# Altium PCB 190909 PCB (INITIAL).PcbDoc (part 2 of 2)
Units mil, origin at the board's own origin, x right, y up, seen from the top; angles counter-clockwise.
Board outline 5629.92 x 3740.16 mil, 4 copper layers (Top Layer, Int1 (GND), Int2 (PWR), Bottom Layer), stack 53.912 mil thick; 160 components, 136 nets, 615 pads, 194 vias.
Unrouted connection lines stored in the file: 73.
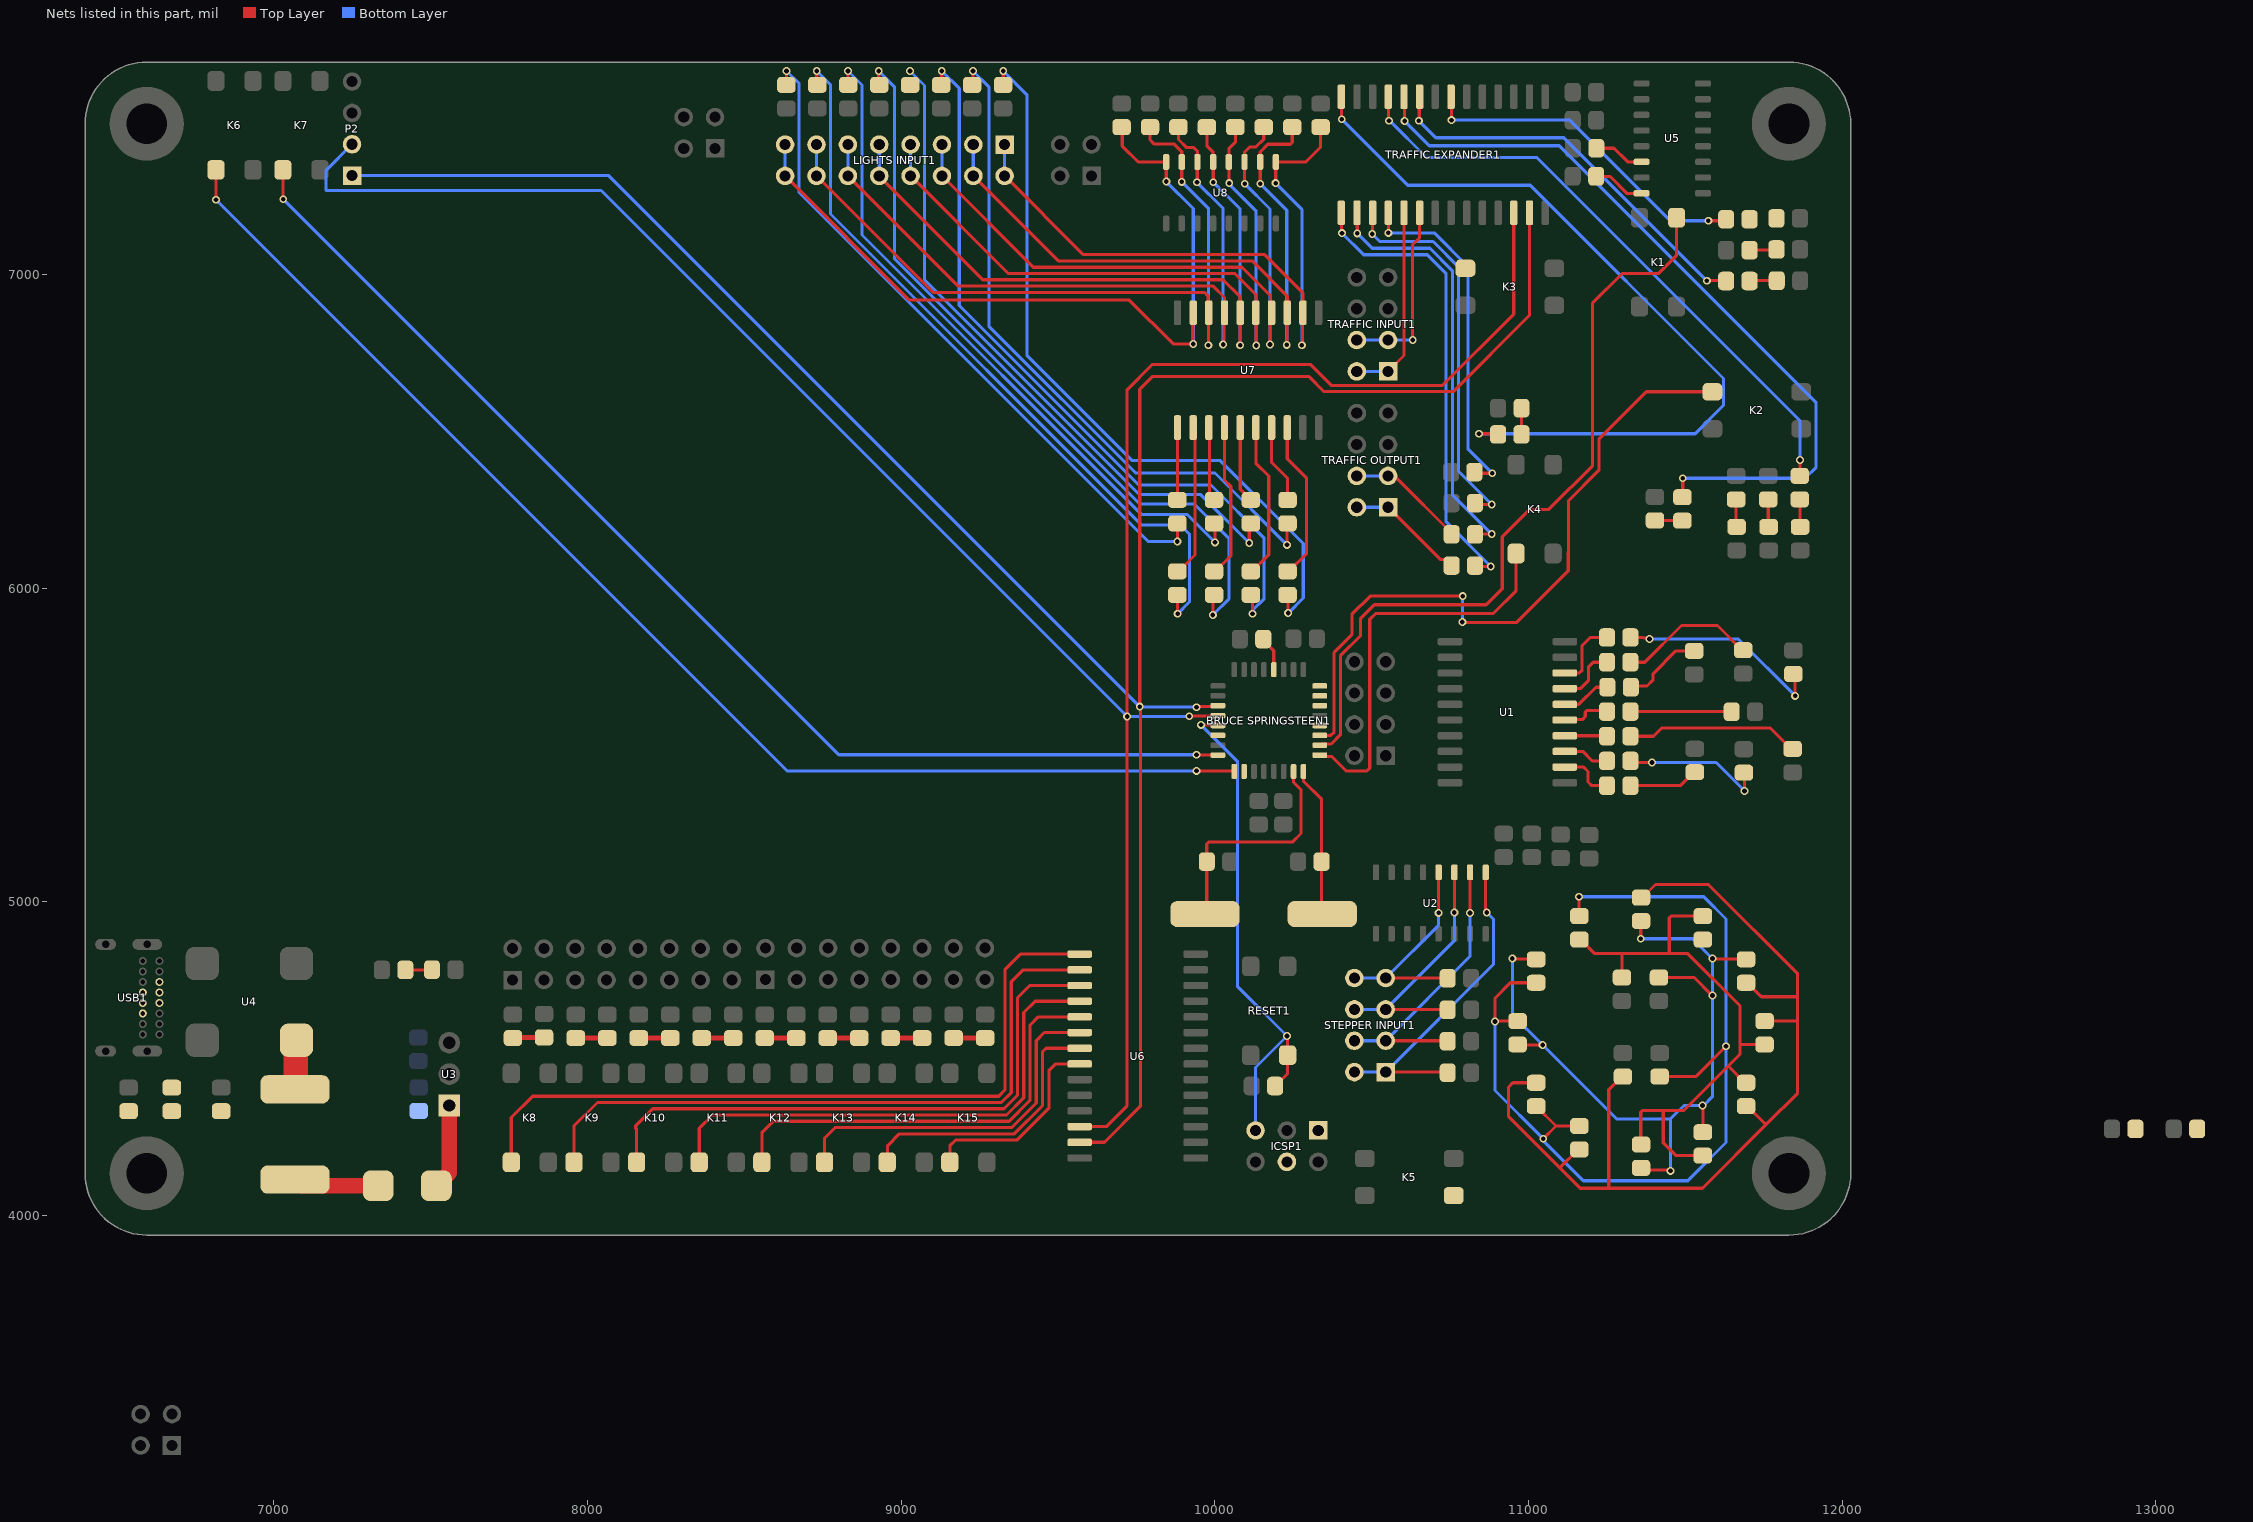
[diagram p4: the nets of this part, all layers, seen from the top]

## Via types
v1: diameter 25, hole 15, Top Layer to Bottom Layer, 194 vias

## Nets (pads, with @x,y where several pads share a name; then routed paths per layer and width w, separated by ;. In a path a pad name is that pad's centre, name@x,y a point inside that pad or via, vN(x,y) a via of type N, cw(c..) or ccw(c..) an arc to the next point about the centre after c; other vN are vias at no path point) (continued)
"GREEN NS": "TRAFFIC EXPANDER1.23" D11.A | length 1269.4
  Top Layer w10: v1(10650.59,7490.16) 10651.97,7491.54 10651.97,7565.55 10653.35,7566.93 ; v1(11568.9,6980.31) 11629.4,6980.31 D11.A@11630.43,6979.28
  Bottom Layer w10: v1(10650.59,7490.16) 10704.72,7436.02 11113.19,7436.02 v1(11568.9,6980.31)
Light1: "LIGHTS INPUT1.1" "LIGHTS INPUT1.2" R47.2 U7.2 U8.9 | length 2218.9
  Top Layer w10: 9329.92,7314.37 9581.02,7063.27 10158.89,7063.27 10280.91,6941.26 U7.2@10280.91,6878.07 10279.23,6876.39 10279.23,6776.28 v1(10277.56,6774.61) ; v1(10193.9,7291.34) 10194.29,7291.73 10194.29,7358.46 U8.9@10194.68,7358.86 10289.96,7358.86 10337.55,7406.45 R47.2@10337.55,7469.98
  Bottom Layer w10: 9329.92,7314.37 9329.92,7414.37 ; v1(10193.9,7291.34) 10277.56,7207.68 v1(10277.56,6774.61)
Light2: "LIGHTS INPUT1.3" "LIGHTS INPUT1.4" R48.2 U7.3 U8.10 | length 2229.8
  Top Layer w10: 9229.92,7314.37 9501.02,7043.27 10118.85,7043.27 10230.91,6931.22 U7.3@10230.91,6878.07 10230.12,6877.28 10230.12,6776.38 v1(10229.33,6775.59) ; v1(10144.68,7289.37) 10144.68,7390.75 10169.29,7415.35 10241.14,7415.35 10246.86,7421.07 R48.2@10246.86,7469.98
  Bottom Layer w10: 9229.92,7314.37 9229.92,7414.37 ; v1(10144.68,7289.37) 10229.33,7204.72 v1(10229.33,6775.59)
Light3: "LIGHTS INPUT1.5" "LIGHTS INPUT1.6" R49.2 U7.4 U8.11 | length 2229.2
  Top Layer w10: 9129.92,7314.37 9421.02,7023.27 10086.69,7023.27 10177.76,6932.2 10177.76,6881.22 U7.4@10180.91,6878.07 10176.18,6873.34 v1(10176.18,6776.57) ; v1(10095.47,7289.37) 10095.08,7289.76 10095.08,7358.46 U8.11@10094.68,7358.86 10094.68,7389.96 10111.22,7406.5 10130.91,7406.5 10156.17,7431.76 R49.2@10156.17,7469.98
  Bottom Layer w10: 9129.92,7314.37 9129.92,7414.37 ; v1(10095.47,7289.37) 10176.18,7208.66 v1(10176.18,6776.57)
Light4: "LIGHTS INPUT1.7" "LIGHTS INPUT1.8" R50.2 U7.5 U8.12 | length 2261.9
  Top Layer w10: 9029.92,7314.37 9341.02,7003.27 10063.38,7003.27 10131.5,6935.15 10131.5,6878.66 U7.5@10130.91,6878.07 10131.4,6877.58 10131.4,6774.11 v1(10131.89,6773.62) ; v1(10046.26,7291.34) 10045.47,7292.13 10045.47,7358.07 U8.12@10044.68,7358.86 10044.68,7400.98 10065.48,7421.78 R50.2@10065.48,7469.98
  Bottom Layer w10: 9029.92,7314.37 9029.92,7414.37 ; v1(10046.26,7291.34) 10046.26,7287.4 10131.89,7201.77 v1(10131.89,6773.62)
Light5: "LIGHTS INPUT1.9" "LIGHTS INPUT1.10" R51.2 U7.6 U8.13 | length 2306.4
  Top Layer w10: 8929.92,7314.37 8929.92,7313.19 9259.84,6983.27 10026.3,6983.27 10080.91,6928.66 U7.6@10080.91,6878.07 10080.81,6877.97 10080.81,6774.7 v1(10080.71,6774.61) ; R51.2@9974.78,7469.98 9974.78,7410.06 9994.68,7390.16 U8.13@9994.68,7358.86 9994.88,7358.66 9994.88,7294.49 v1(9995.08,7294.29)
  Bottom Layer w10: 8928.84,7313.29 8929.92,7314.37 8929.92,7414.37 ; v1(9995.08,7294.29) 10080.71,7208.66 v1(10080.71,6774.61)
Light6: "LIGHTS INPUT1.11" "LIGHTS INPUT1.12" R52.2 U7.7 U8.14 | length 2380.7
  Top Layer w10: 8829.92,7314.37 9181.38,6962.91 9994.48,6962.91 10030.91,6926.49 U7.7@10030.91,6878.07 10028.74,6875.9 10028.74,6778.74 v1(10026.57,6776.57) ; R52.2@9884.09,7469.98 9884.09,7430.61 9910.17,7404.53 9933.07,7404.53 9944.68,7392.91 U8.14@9944.68,7358.86 9943.8,7357.97 9943.8,7295.18 v1(9942.91,7294.29)
  Bottom Layer w10: 8829.92,7314.37 8829.92,7414.37 ; v1(9942.91,7294.29) 10026.57,7210.63 v1(10026.57,6776.57)
Light7: "LIGHTS INPUT1.13" "LIGHTS INPUT1.14" R53.2 U7.8 U8.15 | length 2476.3
  Top Layer w10: 8729.92,7314.37 9101.38,6942.91 9967.24,6942.91 9977.72,6932.44 9977.72,6881.26 U7.8@9980.91,6878.07 9980.12,6877.28 9980.12,6775.39 v1(9979.33,6774.61) ; R53.2@9793.4,7469.98 9793.4,7429.39 9807.12,7415.67 9870.75,7415.67 9894.68,7391.73 U8.15@9894.68,7358.86 v1(9894.68,7295.28)
  Bottom Layer w10: 8729.92,7314.37 8729.92,7414.37 ; v1(9894.68,7295.28) 9980.32,7209.65 9980.32,6775.59 v1(9979.33,6774.61)
Light8: "LIGHTS INPUT1.15" "LIGHTS INPUT1.16" R54.2 U7.9 U8.16 | length 2560.8
  Top Layer w10: 8629.92,7314.37 9025.98,6918.31 9727.36,6918.31 9866.93,6778.74 v1@9930.91,6778.74 ; R54.2@9702.71,7469.98 9704.72,7467.96 9704.72,7409.45 9755.31,7358.86 U8.16@9844.68,7358.86 9845.08,7358.46 9845.08,7296.65 v1(9845.47,7296.26) ; U7.9@9930.91,6878.07 v1@9930.91,6778.74 ; v1(9931.1,6778.54) v1@9930.91,6778.74
  Bottom Layer w10: 8629.92,7314.37 8629.92,7414.37 ; v1(9845.47,7296.26) 9931.1,7210.63 v1(9931.1,6778.54)
MISO: "BRUCE SPRINGSTEEN1.16" "STEPPER INPUT1.3" "STEPPER INPUT1.4" ICSP1.1 R16.2 U2.10 | length 946.7
  Top Layer w10: 10544.88,4556.69 10741.06,4556.69 R16.2@10742.6,4555.15 ; v1(10813.39,4964.17) 10813.39,5093.31 U2.10@10813.78,5093.7
  Bottom Layer w10: 10444.88,4556.69 10544.88,4556.69 10813.39,4825.2 v1(10813.39,4964.17)
MOSI: "BRUCE SPRINGSTEEN1.15" "STEPPER INPUT1.1" "STEPPER INPUT1.2" ICSP1.4 R17.2 U2.9 | length 1088.5
  Top Layer w10: 10544.88,4456.69 10740.68,4456.69 R17.2@10742.6,4454.77 ; U2.9@10863.78,5093.7 10863.48,5093.41 10863.48,4969.19 v1(10867.13,4965.55)
  Bottom Layer w10: 10444.88,4456.69 10544.88,4456.69 10888.72,4800.53 10888.72,4943.96 v1(10867.13,4965.55)
NetACTIVE1_K: ACTIVE1.K R21.2 | length 85.6
  Top Layer w10: ACTIVE1.K@7418.82,4782.43 7502.91,4782.43 R21.2@7503.94,4783.46
"NetBRUCE SPRINGSTEEN1_1": "BRUCE SPRINGSTEEN1.1" K6.2 | length 4097.6
  Top Layer w10: v1(6814.96,7238.19) K6.2@6814.96,7333.66 ; v1(9941.93,5417.32) 10060.04,5417.32 10062.01,5415.35
  Bottom Layer w10: v1(6814.96,7238.19) 8635.83,5417.32 v1(9941.93,5417.32)
"NetBRUCE SPRINGSTEEN1_2": "BRUCE SPRINGSTEEN1.2" K3.2
"NetBRUCE SPRINGSTEEN1_9": "BRUCE SPRINGSTEEN1.9" K4.2 | length 1280.9
  Top Layer w10: 10334.65,5467.52 10338.5,5463.66 10371.97,5463.66 10418.31,5417.32 10485.24,5417.32 10494.09,5426.18 10494.09,5900.59 10512.74,5919.23 10887.74,5919.23 10960.63,5992.13 K4.2@10960.63,6110.24
"NetBRUCE SPRINGSTEEN1_10": "BRUCE SPRINGSTEEN1.10" K1.2 | length 2484.7
  Top Layer w10: 10334.65,5499.02 10338.5,5502.87 10370.72,5502.87 10400.35,5532.5 10400.35,5783.8 10464.07,5847.52 10464.07,5902.07 10508.92,5946.91 10865.22,5946.91 10916.34,5998.03 10916.34,6163.39 11003.94,6250.98 11064.96,6250.98 11204.72,6390.75 11204.72,6909.45 11298.23,7002.95 11414.37,7002.95 11472.44,7061.02 K1.2@11472.44,7181.1
"NetBRUCE SPRINGSTEEN1_11": "BRUCE SPRINGSTEEN1.11" K2.2 | length 2198.8
  Top Layer w10: 10334.65,5530.51 10370.08,5530.51 10380.35,5540.79 10380.35,5795.2 10437.02,5851.87 10437.02,5916.35 10495.08,5974.41 v1(10790.35,5974.41) ; v1@10790.35,5890.75 10962.6,5890.75 11126.97,6055.12 11126.97,6115.16 11127.95,6116.14 11127.95,6278.54 11224.72,6375.31 11224.72,6474.72 11375.98,6625.98 K2.2@11586.61,6625.98
  Bottom Layer w10: v1(10789.37,5891.73) 10789.86,5892.22 10789.86,5973.92 v1(10790.35,5974.41)
"NetBRUCE SPRINGSTEEN1_20": "BRUCE SPRINGSTEEN1.20" C6.2 | length 111.3
  Top Layer w10: C6.2@10154.53,5837.6 10154.53,5833.66 10187.99,5800.19 10187.99,5740.16
"NetBRUCE SPRINGSTEEN1_30": "BRUCE SPRINGSTEEN1.30" K5.2
"NetBRUCE SPRINGSTEEN1_32": "BRUCE SPRINGSTEEN1.32" K7.2 | length 3808.5
  Top Layer w10: K7.2@7028.54,7333.66 7029.04,7333.17 7029.04,7240.65 v1(7029.53,7240.16) ; v1(9941.93,5468.5) 9942.42,5468.01 10009.35,5468.01 10009.84,5467.52
  Bottom Layer w10: v1(7029.53,7240.16) 8801.18,5468.5 v1(9941.93,5468.5)
NetC7_2: C7.2 D8.K U3.1 | length 273
  Top Layer w50: D8.K@7517.72,4094.49 7559.06,4135.83 U3.1@7559.06,4350.39
NetD1_A: D1.A R7.1 | length 223.1
  Top Layer w10: R7.1@11325.27,5370.13 11483.89,5370.13 11526.71,5412.95 D1.A@11530.65,5412.95
NetD2_A: D2.A R8.1 | length 462.2
  Top Layer w10: R8.1@11325.27,5448.87 11330.24,5443.9 v1(11393.7,5443.9) ; D2.A@11687.1,5411.46 11688.98,5409.58 v1(11688.98,5353.35)
  Bottom Layer w10: v1(11393.7,5443.9) 11598.43,5443.9 v1(11688.98,5353.35)
NetD3_A: D3.A R9.1 | length 556
  Top Layer w10: R9.1@11325.27,5527.61 11398.67,5527.61 11425.2,5554.13 11771.65,5554.13 11838.58,5487.2 D3.A@11842.52,5487.2
NetD4_A: D4.A R10.1 | length 323.2
  Top Layer w10: R10.1@11325.27,5606.35 11647.63,5606.35 D4.A@11648.2,5605.78
NetD5_A: D5.A R11.1 | length 261.3
  Top Layer w10: R11.1@11326.77,5684.06 11330.71,5687.99 11377.95,5687.99 11397.64,5707.68 11397.64,5727.36 11470,5799.72 D5.A@11528.59,5799.72
NetD6_A: D6.A R12.1 | length 440.6
  Top Layer w10: R12.1@11325.27,5763.83 11371.11,5763.83 11487.87,5880.59 11602.67,5880.59 11681.1,5802.16 D6.A@11685.04,5802.16
NetD7_A: D7.A R13.1 | length 674.5
  Top Layer w10: R13.1@11325.27,5842.57 11365.86,5842.57 11367.96,5840.47 11382.96,5840.47 v1(11385.83,5837.6) ; D7.A@11844.58,5726.42 11850.39,5720.61 v1(11850.39,5656.5)
  Bottom Layer w10: v1(11385.83,5837.6) 11669.29,5837.6 v1(11850.39,5656.5)
NetD8_A: D8.A F1.2 | length 273.9
  Top Layer w50: F1.2@7066.93,4114.17 7086.61,4094.49 D8.A@7332.68,4094.49
NetD9_K: D9.K R27.2
NetD10_K: D10.K R28.2 | length 86.4
  Top Layer w10: D10.K@11705.23,7077.71 11788.77,7077.71 R28.2@11790.83,7079.77
NetD11_K: D11.K R29.2 | length 87
  Top Layer w10: D11.K@11705.23,6979.28 11706.31,6980.36 R29.2@11791.81,6980.36
NetD12_K: D12.K R30.2 | length 88
  Top Layer w10: R30.2@11403.5,6216.03 11403.99,6215.53 11490.6,6215.53 D12.K@11491.09,6215.04
NetD13_K: D13.K R31.2 | length 88.1
  Top Layer w10: D13.K@11865.11,6280.99 11866.35,6279.75 R31.2@11866.35,6193.42
NetD14_K: D14.K R32.2 | length 88.1
  Top Layer w10: D14.K@11764.72,6282.95 11764.72,6196.63 R32.2@11765.95,6195.39
NetD15_K: D15.K R33.2 | length 88.1
  Top Layer w10: D15.K@11662.35,6282.95 11662.35,6196.63 R33.2@11663.59,6195.39
NetD16_K: D16.K R34.2 | length 83.7
  Top Layer w10: D16.K@10977.87,6490.11 R34.2@10977.87,6573.77
NetD17_K: D17.K R39.2 | length 100.4
  Top Layer w15: R39.2@9167.32,4565.43 D17.K@9267.72,4565.43
NetD18_K: D18.K R40.2 | length 100.4
  Top Layer w15: R40.2@8966.54,4565.43 D18.K@9066.93,4565.43
NetD19_K: D19.K R41.2 | length 100.4
  Top Layer w15: R41.2@8765.75,4565.43 D19.K@8866.14,4565.43
NetD20_K: D20.K R42.2 | length 100.4
  Top Layer w15: R42.2@8564.96,4565.43 D20.K@8665.35,4565.43
NetD21_K: D21.K R43.2 | length 100.4
  Top Layer w15: R43.2@8364.17,4565.43 D21.K@8464.57,4565.43
NetD22_K: D22.K R44.2 | length 100.4
  Top Layer w15: R44.2@8163.39,4565.43 D22.K@8263.78,4565.43
NetD23_K: D23.K R45.2 | length 100.4
  Top Layer w15: R45.2@7962.6,4565.43 D23.K@8062.99,4565.43
NetD24_K: D24.K R46.2 | length 100.1
  Top Layer w15: R46.2@7761.81,4565.43 cw(c7766.41,4560.83) 7766.41,4567.34 D24.K@7861.38,4567.34
NetD25_A: D25.A R55.1 | length 2173.5
  Top Layer w10: D25.A@8633.81,7604.33 8634.28,7604.8 v1(8634.28,7649) ; v1(9880.51,6148.74) R55.1@9880.51,6206.34
  Bottom Layer w10: v1(8634.28,7649) 8674.45,7608.83 8674.45,7261.57 9787.29,6148.74 v1(9880.51,6148.74)
NetD26_A: D26.A R56.1 | length 2417.1
  Top Layer w10: v1(8730.74,7649) 8730.74,7606.97 8730.32,7606.54 D26.A@8732.52,7604.33 ; R56.1@9880.51,5978.46 9881.5,5977.48 v1(9881.5,5918.42)
  Bottom Layer w10: v1(8730.74,7649) 8774.45,7605.29 8774.45,7193.07 9765.75,6201.77 9889.76,6201.77 9918.9,6172.64 9918.9,5955.82 v1(9881.5,5918.42)
NetD27_A: D27.A R57.1 | length 2180.2
  Top Layer w10: v1(8830.16,7649) 8830.16,7605.41 D27.A@8831.24,7604.33 ; R57.1@9997.65,6206.34 10000.59,6203.4 v1(10000.59,6145.78)
  Bottom Layer w10: v1(8830.16,7649) 8830.34,7649 8875,7604.33 8875,7125.98 9765.75,6235.24 9911.14,6235.24 v1(10000.59,6145.78)
NetD28_A: D28.A R58.1 | length 2431.2
  Top Layer w10: v1(8928.59,7649) 8928.59,7605.7 D28.A@8929.95,7604.33 ; v1(9993.7,5914.48) 9993.7,5974.51 R58.1@9997.65,5978.46
  Bottom Layer w10: v1(8928.59,7649) 8978.35,7599.23 8978.35,7050.92 9761.55,6267.72 9935.04,6267.72 10045.66,6157.09 10045.66,5966.45 v1(9993.7,5914.48)
NetD29_A: D29.A R59.1 | length 2132.4
  Top Layer w10: v1(10109.84,6143.82) 10109.84,6201.38 R59.1@10114.8,6206.34
  Bottom Layer w10: v1(9028,7649) 9074.45,7602.55 9074.45,6983.62 9759.84,6298.23 9955.43,6298.23 v1(10109.84,6143.82)
NetD30_A: D30.A R60.1 | length 2414.4
  Top Layer w10: D30.A@9127.38,7604.33 9129.38,7606.34 v1(9129.38,7649) ; R60.1@10114.8,5978.46 10120.08,5973.18 v1(10120.08,5918.31)
  Bottom Layer w10: v1(9129.38,7649) 9185.04,7593.34 9185.04,6901.32 9757.61,6328.74 9987.91,6328.74 10157.09,6159.56 10157.09,5966.14 10120.08,5929.13 v1(10120.08,5918.31)
NetD31_A: D31.A R61.1 | length 2189.1
  Top Layer w10: D31.A@9226.09,7604.33 9228.8,7607.04 v1(9228.8,7649) ; v1(10229.92,6137.91) 10229.92,6204.32 R61.1@10231.94,6206.34
  Bottom Layer w10: v1(9228.8,7649) 9279.53,7598.26 9279.53,6835.11 9747.51,6367.13 10000.71,6367.13 v1(10229.92,6137.91)
NetD32_A: D32.A R62.1 | length 2413.4
  Top Layer w10: D32.A@9324.8,7604.33 9325.26,7604.79 v1(9325.26,7649) ; R62.1@10231.94,5978.46 10233.86,5976.54 v1(10233.86,5920.39)
  Bottom Layer w10: v1(9325.26,7649) 9400.59,7573.66 9400.59,6742.33 9736.43,6406.5 10017.72,6406.5 10282.09,6142.13 10282.09,5968.62 v1(10233.86,5920.39)
NetD33_A: D33.A D34.K D37.K D39.A D41.K D42.A R64.1 | length 2544.4
  Top Layer w10: v1(10948.82,4818.9) 10950.04,4817.68 11023.43,4817.68 D41.K@11024.65,4816.46 ; D42.A@10965.6,4544.8 10967.07,4544.8 10968.56,4543.31 v1(11045.31,4543.31) ; v1(11358.27,4881.89) 11358.27,4937.47 D39.A@11359.3,4938.51 ; D33.A@11359.3,4151.1 11365.8,4144.6 11449.89,4144.6 v1(11452.76,4141.73) ; R64.1@11416.29,4758.34 11529.06,4758.34 v1(11586.61,4700.79) ; v1(11555.12,4350.39) 11556.15,4349.36 D34.K@11556.15,4265.27 ; v1(11586.61,4818.9) 11587.84,4817.68 11692.72,4817.68 D37.K@11693.94,4816.46
  Bottom Layer w10: v1(10948.82,4818.9) 10948.82,4639.79 v1(11045.31,4543.31) 11281.53,4307.09 11452.76,4307.09 ; v1(11358.27,4881.89) 11523.62,4881.89 v1(11586.61,4818.9) v1(11586.61,4700.79) 11586.61,4377.95 11559.06,4350.39 v1(11555.12,4350.39) 11496.06,4350.39 11452.76,4307.09 ; v1(11452.76,4141.73) 11452.76,4307.09
NetD33_K: D33.K D34.A D35.K D36.A D38.K D40.A R63.1 | length 1956.6
  Top Layer w10: D40.A@11162.45,4879.45 11166.39,4879.45 11211.19,4834.65 11295.28,4834.65 ; R63.1@11298.18,4758.34 11298.18,4831.74 11295.28,4834.65 ; D33.K@11359.3,4225.9 11358.27,4226.94 11358.27,4328.79 11364.13,4334.65 11430.09,4334.65 ; D34.A@11556.15,4190.47 11470.94,4190.47 11430.09,4231.32 11430.09,4334.65 ; D38.K@11556.15,4954.25 11454.68,4954.25 11448.82,4948.39 11448.82,4838.58 11444.88,4834.65 ; 11637.8,4474.96 11690,4422.75 D35.K@11693.94,4422.75 ; D36.A@11753,4544.8 11677.08,4544.8 11674.64,4547.24 ; 11295.28,4834.65 11444.88,4834.65 ; 11430.09,4334.65 11496.06,4334.65 11674.64,4513.23 11674.64,4547.24 ; 11444.88,4834.65 11507.87,4834.65 11674.64,4667.88 11674.64,4547.24
NetD35_A: D35.A D36.K D37.A D39.K D43.K D44.A R65.1 | length 3186
  Top Layer w10: D43.K@11024.65,4422.75 10950.31,4422.75 10937.01,4409.45 10937.01,4314.96 11100.39,4151.57 ; D44.A@11162.45,4210.16 11158.98,4210.16 11100.39,4151.57 ; R65.1@11301.28,4442.44 11297.34,4442.44 11255.91,4401.01 11255.91,4086.61 ; D39.K@11359.3,5013.31 11363.24,5013.31 11405.05,5055.12 11573.82,5055.12 11858.27,4770.67 11858.27,4696.85 ; D35.A@11693.94,4347.95 11697.88,4347.95 11752.53,4293.31 11761.81,4293.31 ; D37.A@11693.94,4741.66 11697.88,4741.66 11742.69,4696.85 11858.27,4696.85 ; D36.K@11753,4619.6 11858.27,4619.6 ; 11100.39,4151.57 11165.35,4086.61 11255.91,4086.61 ; 11255.91,4086.61 11555.12,4086.61 11761.81,4293.31 ; 11761.81,4293.31 11858.27,4389.76 11858.27,4619.6 ; 11858.27,4619.6 11858.27,4696.85
NetD38_A: D38.A D40.K D41.A D42.K D43.A D44.K R66.1 | length 3176.6
  Top Layer w10: D42.K@10965.6,4619.6 10895.2,4619.6 v1(10893.7,4618.11) 10893.7,4692.91 10942.44,4741.66 D41.A@11024.65,4741.66 ; D43.A@11024.65,4347.95 11025.11,4347.95 11088.11,4284.96 ; v1(11047.24,4244.09) 11088.11,4284.96 ; v1(11161.42,5015.75) 11161.42,4955.28 D40.K@11162.45,4954.25 ; D44.K@11162.45,4284.96 11088.11,4284.96 ; R66.1@11418.35,4442.44 11532.99,4442.44 v1(11629.92,4539.37)
  Bottom Layer w10: v1(10893.7,4618.11) 10893.28,4617.69 10893.28,4398.06 v1(11047.24,4244.09) 11044.37,4241.22 11175.36,4110.24 11507.87,4110.24 11629.92,4232.28 v1(11629.92,4539.37) 11629.92,4944.88 11559.06,5015.75 v1(11161.42,5015.75)
NetF1_1: F1.1 U4.2 | length 158.6
  Top Layer w78.74: F1.1@7066.93,4401.57 7069.29,4403.94 7069.29,4555.91 U4.2@7071.65,4558.27
NetR7_2: R7.2 U1.12 | length 178.5
  Top Layer w10: U1.12@11116.14,5429.33 11175.98,5429.33 11189.96,5415.35 11189.96,5381.89 11201.72,5370.13 R7.2@11250.47,5370.13
NetR8_2: R8.2 U1.13 | length 147
  Top Layer w10: U1.13@11116.14,5479.33 11173.23,5479.33 11203.69,5448.87 R8.2@11250.47,5448.87
NetR9_2: R9.2 U1.14 | length 135
  Top Layer w10: U1.14@11116.14,5529.33 11248.75,5529.33 R9.2@11250.47,5527.61
NetR10_2: R10.2 U1.15 | length 156.8
  Top Layer w10: U1.15@11116.14,5579.33 11117.52,5580.71 11171.26,5580.71 11181.1,5590.55 11181.1,5604.38 11186.96,5610.24 11246.58,5610.24 R10.2@11250.47,5606.35
NetR11_2: R11.2 U1.16 | length 164.1
  Top Layer w10: U1.16@11116.14,5629.33 11160.83,5629.33 11215.55,5684.06 R11.2@11251.97,5684.06 R11.2@11248.03,5680.12
NetR12_2: R12.2 U1.17 | length 194.4
  Top Layer w10: U1.17@11116.14,5679.33 11165.4,5679.33 11191.26,5705.19 11191.26,5748.03 11207.06,5763.83 R12.2@11250.47,5763.83
NetR13_2: R13.2 U1.18 | length 227.4
  Top Layer w10: U1.18@11116.14,5729.33 11162.4,5729.33 11171.26,5738.19 11171.26,5816.93 11196.9,5842.57 R13.2@11250.47,5842.57
NetR19_1: R19.1 USB1.A6 USB1.B6
NetR19_2: R19.2 USB1.A7 USB1.B7
NetR20_1: R20.1 USB1.A5
NetR22_1: R22.1 USB1.B5
NetR23_1: "TRAFFIC EXPANDER1.1" R23.1 | length 1495.7
  Top Layer w10: 10403.35,7196.85 10404.43,7195.77 10404.43,7132.97 v1(10405.51,7131.89) ; R23.1@10829.66,6071.94 10832.71,6068.9 v1(10879.92,6068.9)
  Bottom Layer w10: v1(10405.51,7131.89) 10474.41,7062.99 10677.17,7062.99 10737.56,7002.6 10737.56,6211.26 v1(10879.92,6068.9)
NetR24_1: "TRAFFIC EXPANDER1.2" R24.1 | length 1364.1
  Top Layer w10: 10453.35,7196.85 10454.04,7196.16 v1(10454.04,7131.2) ; R24.1@10829.66,6171.6 10830.3,6172.24 v1(10882.87,6172.24)
  Bottom Layer w10: v1(10454.04,7131.2) 10501.57,7083.66 10686.02,7083.66 10757.56,7012.13 10757.56,6297.56 v1(10882.87,6172.24)
NetR25_1: "TRAFFIC EXPANDER1.3" R25.1 | length 1243.1
  Top Layer w10: v1(10502.07,7129.04) 10502.71,7129.68 10502.71,7196.21 10503.35,7196.85 ; R25.1@10829.66,6271.25 10834.18,6266.73 v1(10882.87,6266.73)
  Bottom Layer w10: v1(10502.07,7129.04) 10525.93,7105.18 10696,7105.18 10777.56,7023.62 10777.56,6372.05 v1(10882.87,6266.73)
NetR26_1: "TRAFFIC EXPANDER1.4" R26.1 | length 1112.6
  Top Layer w10: v1(10553.35,7132.68) 10553.35,7196.85 ; R26.1@10827.75,6370.08 10831.69,6366.14 v1(10884.84,6366.14)
  Bottom Layer w10: v1(10553.35,7132.68) 10700,7132.68 10807.09,7025.59 10807.09,6443.9 v1(10884.84,6366.14)
NetR55_2: R55.2 U7.11 | length 231
  Top Layer w10: R55.2@9880.51,6281.14 9880.91,6281.53 U7.11@9880.91,6511.93
NetR56_2: R56.2 U7.12 | length 486.6
  Top Layer w10: R56.2@9880.51,6053.26 9884.45,6053.26 9936.61,6105.42 9936.61,6506.22 U7.12@9930.91,6511.93
NetR57_2: R57.2 U7.13 | length 237.7
  Top Layer w10: U7.13@9980.91,6511.93 9983.41,6509.42 9983.41,6295.38 R57.2@9997.65,6281.14
NetR58_2: R58.2 U7.14 | length 491.2
  Top Layer w10: R58.2@9997.65,6053.26 10001.59,6053.26 10050.79,6102.46 10050.79,6324.92 10030.91,6344.8 U7.14@10030.91,6511.93
NetR59_2: R59.2 U7.15 | length 244.8
  Top Layer w10: U7.15@10080.91,6511.93 10080.91,6315.3 10114.8,6281.42 R59.2@10114.8,6281.14
NetR60_2: R60.2 U7.16 | length 501.6
  Top Layer w10: R60.2@10114.8,6053.26 10118.74,6053.26 10171.85,6106.38 10171.85,6357.4 10130.91,6398.34 U7.16@10130.91,6511.93
NetR61_2: R61.2 U7.17 | length 251.9
  Top Layer w10: U7.17@10180.91,6511.93 10180.91,6401.49 10231.94,6350.46 R61.2@10231.94,6281.14
NetR62_2: R62.2 U7.18 | length 511.9
  Top Layer w10: U7.18@10230.91,6511.93 10230.91,6412.52 10292.91,6350.51 10292.91,6110.3 10235.88,6053.26 R62.2@10231.94,6053.26
"NorthLight1 IN": "TRAFFIC EXPANDER1.5" "TRAFFIC INPUT1.1" "TRAFFIC INPUT1.2" | length 626.9
  Top Layer w10: 10552.76,6690.94 10603.35,6741.54 10603.35,7196.85
  Bottom Layer w10: 10452.76,6690.94 10552.76,6690.94
"NorthLight2 IN": "TRAFFIC EXPANDER1.6" "TRAFFIC INPUT1.3" "TRAFFIC INPUT1.4" | length 593.1
  Top Layer w10: v1(10630.91,6791.34) 10630.91,7095.47 10652.95,7117.52 10652.95,7196.46 10653.35,7196.85
  Bottom Layer w10: 10452.76,6790.94 10552.76,6790.94 10552.95,6791.14 10630.71,6791.14 v1(10630.91,6791.34)
"PED EW": "TRAFFIC EXPANDER1.28" D16.A | length 2596.4
  Top Layer w10: 10403.35,7566.93 10403.94,7566.34 10403.94,7495.67 v1(10404.53,7495.08) ; v1(10842.52,6492.13) 10901.06,6492.13 D16.A@10903.07,6490.11
  Bottom Layer w10: v1(10404.53,7495.08) 10615.16,7284.45 11005.91,7284.45 11622.05,6668.31 11622.05,6582.68 11531.5,6492.13 v1(10842.52,6492.13)
"Ped EW (IN)": R36.2 U5.14 | length 162.1
  Top Layer w10: R36.2@11216.54,7402.51 11272.69,7402.51 11316.14,7359.06 U5.14@11360.63,7359.06
"Ped EW (OUT)": "TRAFFIC OUTPUT1.3" "TRAFFIC OUTPUT1.4" R24.2 | length 381.6
  Top Layer w10: 10552.76,6357.87 10562.14,6348.49 10581.91,6348.49 10754.86,6175.54 R24.2@10754.86,6171.6
  Bottom Layer w10: 10452.76,6357.87 10552.76,6357.87
"PED NS": "TRAFFIC EXPANDER1.24" D12.A | length 2469
  Top Layer w10: 10603.35,7566.93 10604.33,7565.94 10604.33,7490.16 v1(10605.32,7489.17) ; D12.A@11491.09,6289.84 11492.13,6290.87 v1(11492.13,6350.39)
  Bottom Layer w10: v1(10605.32,7489.17) 10684.06,7410.43 11098.43,7410.43 11917.32,6591.54 11917.32,6385.83 11881.89,6350.39 v1(11492.13,6350.39)
"Ped NS (IN)": R35.2 U5.16 | length 167.9
  Top Layer w10: R35.2@11216.06,7312.94 11259.89,7312.94 11314.96,7257.87 11359.45,7257.87 U5.16@11360.63,7259.06
"Ped NS (OUT)": "TRAFFIC OUTPUT1.1" "TRAFFIC OUTPUT1.2" R23.2 | length 379.6
  Top Layer w10: 10552.76,6257.87 10718.97,6091.66 10734.86,6091.66 10753.78,6072.75 R23.2@10753.78,6070.87
  Bottom Layer w10: 10452.76,6257.87 10552.76,6257.87
"RED EW": "TRAFFIC EXPANDER1.25" D13.A | length 1960.9
  Top Layer w10: 10553.35,7566.93 10553.35,7491.93 v1(10555.12,7490.16) ; D13.A@11865.11,6357.75 11866.14,6358.79 v1(11866.14,6408.46)
  Bottom Layer w10: v1(10555.12,7490.16) 10558.07,7490.16 10675.2,7373.03 11026.57,7373.03 11866.14,6533.46 v1(11866.14,6408.46)
"RED NS": "TRAFFIC EXPANDER1.21" D9.A | length 1085.9
  Top Layer w10: 10753.35,7566.93 10754.13,7566.14 10754.13,7492.91 v1(10754.92,7492.13) ; v1(11573.82,7171.26) 11625.47,7171.26 11630.39,7176.18 D9.A@11630.43,7176.13
  Bottom Layer w10: v1(10754.92,7492.13) 11131.89,7492.13 11452.76,7171.26 v1(11573.82,7171.26)
RESET: "BRUCE SPRINGSTEEN1.29" ICSP1.5 R18.1 RESET1.4 | length 1680.3
  Top Layer w10: v1(9955.71,5563.98) 9956.69,5562.99 10008.86,5562.99 10009.84,5562.01 ; R18.1@10192.4,4412.45 10232.28,4452.33 RESET1.4@10232.28,4510.83 10231.3,4511.81 10231.3,4570.87 v1(10230.32,4571.85)
  Bottom Layer w10: v1(9955.71,5563.98) 10071.85,5447.83 10071.85,4730.31 v1(10230.32,4571.85) 10129.92,4471.46 ICSP1.5@10129.92,4270.67
SCL: "BRUCE SPRINGSTEEN1.28" "TRAFFIC EXPANDER1.12" P2.2 R1.2 U6.12 | length 7895.4
  Top Layer w10: U6.12@9568.9,4282.87 9653.94,4282.87 9719.49,4348.43 9719.49,5589.57 v1(9720.47,5590.55) 9720.47,6632.87 9801.18,6713.58 10304.13,6713.58 10371.3,6646.42 10726.14,6646.42 10953.35,6873.62 10953.35,7196.85 ; v1(9918.31,5591.54) 9919.29,5592.52 10008.86,5592.52 10009.84,5593.5
  Bottom Layer w10: P2.2@7249.02,7415.35 7166.34,7332.68 7166.34,7267.72 8043.31,7267.72 v1(9720.47,5590.55) 9720.96,5591.04 9917.82,5591.04 v1(9918.31,5591.54)
SDA: "BRUCE SPRINGSTEEN1.27" "TRAFFIC EXPANDER1.13" P2.1 R2.2 U6.13 | length 7701.5
  Top Layer w10: U6.13@9568.9,4232.87 9648.23,4232.87 9762.8,4347.44 9762.8,5620.08 v1(9760.83,5622.05) 9760.83,6633.86 9802.17,6675.2 10299.21,6675.2 10347.99,6626.42 10760.28,6626.42 11003.35,6869.49 11003.35,7196.85 ; v1(9941.93,5620.08) 9944.39,5622.54 10007.38,5622.54 10009.84,5625
  Bottom Layer w10: P2.1@7249.02,7315.35 8067.52,7315.35 v1(9760.83,5622.05) 9761.81,5621.06 9940.94,5621.06 v1(9941.93,5620.08)
"Stepper A (IN)": "BRUCE SPRINGSTEEN1.12" "STEPPER INPUT1.7" "STEPPER INPUT1.8" R14.2 U2.12 | length 705.8
  Top Layer w10: 10544.88,4756.69 10741.81,4756.69 R14.2@10742.6,4755.91 ; v1(10713.58,4964.57) 10714.67,4965.65 10713.68,4966.63 10713.68,5093.6 U2.12@10713.78,5093.7
  Bottom Layer w10: 10444.88,4756.69 10544.88,4756.69 10713.58,4925.39 v1(10713.58,4964.57)
"Stepper B (IN)": "BRUCE SPRINGSTEEN1.14" "STEPPER INPUT1.5" "STEPPER INPUT1.6" R15.2 U2.11 | length 826.3
  Top Layer w10: 10544.88,4656.69 10741.43,4656.69 R15.2@10742.6,4655.53 ; v1(10763.78,4965.55) 10764.27,4966.04 10763.78,4966.54 U2.11@10763.78,5093.7
  Bottom Layer w10: 10444.88,4656.69 10544.88,4656.69 10763.78,4875.59 v1(10763.78,4965.55)
"Switch 1": K8.2 U6.1 | length 2395.4
  Top Layer w10: K8.2@7756.69,4169.29 7756.69,4311.81 7824.8,4379.92 9311.02,4379.92 9330.71,4399.61 9330.71,4783.46 9380.12,4832.87 U6.1@9568.9,4832.87
"Switch 2": K9.2 U6.2 | length 2141.1
  Top Layer w10: K9.2@7956.47,4169.29 7956.47,4284.89 8031.5,4359.92 9319.31,4359.92 9350.71,4391.32 9350.71,4744.41 9389.17,4782.87 U6.2@9568.9,4782.87
"Switch 3": K10.2 U6.3 | length 1899.7
  Top Layer w10: K10.2@8156.24,4169.29 8156.24,4274.86 8153.75,4277.35 8153.75,4285.64 8208.03,4339.92 9327.59,4339.92 9370.71,4383.04 9370.71,4693.54 9410.04,4732.87 U6.3@9568.9,4732.87
"Switch 4": K11.2 U6.4 | length 1648.2
  Top Layer w10: K11.2@8356.02,4169.29 8356.02,4277.36 8398.58,4319.92 9335.88,4319.92 9390.71,4374.75 9390.71,4646.61 9426.97,4682.87 U6.4@9568.9,4682.87
"Switch 5": K12.2 U6.5 | length 1400.6
  Top Layer w10: K12.2@8555.79,4169.29 8555.79,4263.19 8592.52,4299.92 9344.16,4299.92 9410.71,4366.47 9410.71,4606.3 9437.28,4632.87 U6.5@9568.9,4632.87
"Switch 6": K13.2 U6.6 | length 1146.2
  Top Layer w10: K13.2@8755.57,4169.29 8755.57,4246.12 8789.37,4279.92 9352.44,4279.92 9430.71,4358.19 9430.71,4557.09 9456.5,4582.87 U6.6@9568.9,4582.87
"Switch 7": K14.2 U6.7 | length 895.3
  Top Layer w10: K14.2@8955.34,4169.29 8956.69,4170.64 8956.69,4222.44 8994.17,4259.92 9360.73,4259.92 9450.71,4349.9 9450.71,4522.05 9461.54,4532.87 U6.7@9568.9,4532.87
"Switch 8": K15.2 U6.8 | length 644.3
  Top Layer w10: K15.2@9155.12,4169.29 9155.12,4221.81 9173.23,4239.92 9369.01,4239.92 9470.71,4341.62 9470.71,4460.87 9492.72,4482.87 U6.8@9568.9,4482.87
XTAL1: "BRUCE SPRINGSTEEN1.7" C4.2 X1.2 | length 747.6
  Top Layer w10: X1.2@9968.5,4960.63 9974.39,4966.52 C4.2@9974.39,5128.02 9974.39,5184.1 9980.25,5189.96 10247.05,5189.96 10274.61,5217.52 10274.61,5357.28 10250.98,5380.91 10250.98,5415.35
XTAL2: "BRUCE SPRINGSTEEN1.8" C5.2 X1.1 | length 479.6
  Top Layer w10: 10282.48,5415.35 10282.48,5384.84 10340.57,5326.75 C5.2@10340.57,5127.93 10340.57,4962.58 X1.1@10342.52,4960.63
pads on no net: "BRUCE SPRINGSTEEN1.19" "BRUCE SPRINGSTEEN1.22" "BRUCE SPRINGSTEEN1.26" "BRUCE SPRINGSTEEN1.31" "BRUCE SPRINGSTEEN1.33" "TRAFFIC EXPANDER1.11" "TRAFFIC EXPANDER1.14" "TRAFFIC EXPANDER1.19" "TRAFFIC EXPANDER1.20" K1.1 K1.3 K2.1 K2.3 K3.1 K3.3 K4.1 K4.3 K5.1 K5.3 K6.1 K6.3 K7.1 K7.3 K8.1 K8.3 K9.1 K9.3 K10.1 K10.3 K11.1 K11.3 K12.1 K12.3 K13.1 K13.3 K14.1 K14.3 K15.1 K15.3 RESET1.1 RESET1.3 U1.9 U1.11 U5.2 U5.4 U5.6 U5.8 U5.9 U5.11 U5.13 U5.15 U6.11 U6.14 U6.19 U6.20 USB1.A8 USB1.B8 USB1.P2 USB1.P3 USB1.P4

## Polygon pours and split planes (outlines as drawn)
0V on Int1 (GND) (split plane): 11842.27,7656.78 11853.79,7655.65 11865.21,7653.76 11876.48,7651.13 11887.55,7647.77 11898.38,7643.7 11908.93,7638.92 11919.13,7633.47 11928.96,7627.36 11938.36,7620.62 11947.31,7613.27 11955.76,7605.36 11963.67,7596.92 11971.01,7587.97 11977.75,7578.56 11983.86,7568.74 11989.32,7558.53 11994.09,7547.99 11998.17,7537.16 12001.53,7526.09 12004.16,7514.82 12006.04,7503.4 12007.17,7491.88 12007.53,7481.01 12007.46,7480.31 12007.46,4133.86 12007.53,4133.16 12007.17,4122.29 12006.04,4110.78 12004.16,4099.36 12001.53,4088.09 11998.17,4077.01 11994.09,4066.18 11989.32,4055.64 11983.86,4045.44 11977.75,4035.61 11971.01,4026.2 11963.67,4017.26 11955.76,4008.81 11947.31,4000.9 11938.36,3993.56 11928.96,3986.82 11919.13,3980.71 11908.93,3975.25 11898.38,3970.47 11887.55,3966.4 11876.48,3963.04 11865.21,3960.41 11853.79,3958.53 11842.27,3957.39 11831.41,3957.04 11830.71,3957.1 6594.49,3957.1 6593.79,3957.04 6582.92,3957.39 6571.41,3958.53 6559.99,3960.41 6548.72,3963.04 6537.64,3966.4 6526.81,3970.47 6516.27,3975.25 6506.07,3980.71 6496.24,3986.82 6486.83,3993.56 6477.89,4000.9 6469.44,4008.81 6461.53,4017.26 6454.19,4026.2 6447.45,4035.61 6441.34,4045.44 6435.88,4055.64 6431.1,4066.18 6427.03,4077.01 6423.67,4088.09 6421.04,4099.36 6419.16,4110.78 6418.02,4122.29 6417.67,4133.16 6417.73,4133.86 6417.73,7480.31 6417.67,7481.01 6418.02,7491.88 6419.16,7503.4 6421.04,7514.82 6423.67,7526.09 6427.03,7537.16 6431.1,7547.99 6435.88,7558.53 6441.34,7568.74 6447.45,7578.56 6454.19,7587.97 6461.53,7596.92 6469.44,7605.36 6477.89,7613.27 6486.83,7620.62 6496.24,7627.36 6506.07,7633.47 6516.27,7638.92 6526.81,7643.7 6537.64,7647.77 6548.72,7651.13 6559.99,7653.76 6571.41,7655.65 6582.92,7656.78 6593.79,7657.14 6594.49,7657.07 11830.71,7657.07 11831.41,7657.14
3.3V on Int2 (PWR) (split plane): 11842.27,7656.78 11853.79,7655.65 11865.21,7653.76 11876.48,7651.13 11887.55,7647.77 11898.38,7643.7 11908.93,7638.92 11919.13,7633.47 11928.96,7627.36 11938.36,7620.62 11947.31,7613.27 11955.76,7605.36 11963.67,7596.92 11971.01,7587.97 11977.75,7578.56 11983.86,7568.74 11989.32,7558.53 11994.09,7547.99 11998.17,7537.16 12001.53,7526.09 12004.16,7514.82 12006.04,7503.4 12007.17,7491.88 12007.53,7481.01 12007.46,7480.31 12007.46,4133.86 12007.53,4133.16 12007.17,4122.29 12006.04,4110.78 12004.16,4099.36 12001.53,4088.09 11998.17,4077.01 11994.09,4066.18 11989.32,4055.64 11983.86,4045.44 11977.75,4035.61 11971.01,4026.2 11963.67,4017.26 11955.76,4008.81 11947.31,4000.9 11938.36,3993.56 11928.96,3986.82 11919.13,3980.71 11908.93,3975.25 11898.38,3970.47 11887.55,3966.4 11876.48,3963.04 11865.21,3960.41 11853.79,3958.53 11842.27,3957.39 11831.41,3957.04 11830.71,3957.1 6594.49,3957.1 6593.79,3957.04 6582.92,3957.39 6571.41,3958.53 6559.99,3960.41 6548.72,3963.04 6537.64,3966.4 6526.81,3970.47 6516.27,3975.25 6506.07,3980.71 6496.24,3986.82 6486.83,3993.56 6477.89,4000.9 6469.44,4008.81 6461.53,4017.26 6454.19,4026.2 6447.45,4035.61 6441.34,4045.44 6435.88,4055.64 6431.1,4066.18 6427.03,4077.01 6423.67,4088.09 6421.04,4099.36 6419.16,4110.78 6418.02,4122.29 6417.67,4133.16 6417.73,4133.86 6417.73,7480.31 6417.67,7481.01 6418.02,7491.88 6419.16,7503.4 6421.04,7514.82 6423.67,7526.09 6427.03,7537.16 6431.1,7547.99 6435.88,7558.53 6441.34,7568.74 6447.45,7578.56 6454.19,7587.97 6461.53,7596.92 6469.44,7605.36 6477.89,7613.27 6486.83,7620.62 6496.24,7627.36 6506.07,7633.47 6516.27,7638.92 6526.81,7643.7 6537.64,7647.77 6548.72,7651.13 6559.99,7653.76 6571.41,7655.65 6582.92,7656.78 6593.79,7657.14 6594.49,7657.07 11830.71,7657.07 11831.41,7657.14

## Keep-outs
Keep-Out Layer:
  the board outline again, w10

## Other copper
Top Layer:
  region: 10750,5679.33
Bottom Layer:
  region: 11303.15,4519.69
  region: 10755.91,5679.13

## Silkscreen, mask and mechanical layers (free items; w line width, h text height)
Top Overlay:
  circle w10: c11358.27,4582.68 r492.13
  circle w10: c11358.27,4582.68 r295.93
  region: 11688.98,6773.62 11688.98,6734.25 11748.03,6734.25 11748.03,6714.57 11787.4,6753.94 11748.03,6793.31 11748.03,6773.62
  region: 11708.66,6763.78
  region: 11208.66,6986.22 11248.03,6986.22 11248.03,7045.28 11267.72,7045.28 11228.35,7084.65 11188.98,7045.28 11208.66,7045.28
  lines w10: 10570.87,4328.64 10581.88,4317.62 ; 10587.32,4286.23 ccw(c10620.08,4308.07) 10581.88,4317.62 ; 10600.1,4317.62 10581.88,4317.62 ; 10763.78,6448.82 11905.51,6448.82 ; 10763.78,6842.52 11905.51,6842.52 ; 10783.46,6645.67 10822.83,6645.67 ; 10842.52,6452.76 10842.52,6838.58 ; 10842.52,6488.19 11039.37,6685.04 ; 10842.52,6547.24 11039.37,6744.09 ; 10842.52,6606.3 11039.37,6803.15 ; 10842.52,6665.35 11019.68,6842.52 ; 10842.52,6724.41 10960.63,6842.52 ; 10842.52,6783.46 10901.57,6842.52 ; 10862.2,6448.82 11039.37,6625.98 ; 10862.2,6645.67 10901.57,6645.67 ; 10921.26,6448.82 11039.37,6566.93 ; 10940.94,6645.67 10980.31,6645.67 ; 10980.31,6448.82 11039.37,6507.87 ; 11019.68,6645.67 11059.05,6645.67 ; 11039.37,6448.82 11039.37,6842.52 ; 11098.43,6645.67 11137.8,6645.67 ; 11137.8,6074.8 11137.8,7216.54 ; 11137.8,6153.54 11531.5,6153.54 ; 11137.8,6212.6 11196.85,6153.54 ; 11137.8,6271.65 11255.91,6153.54 ; 11137.8,6330.71 11314.96,6153.54 ; 11137.8,6350.39 11531.5,6350.39 ; 11177.17,6350.39 11374.02,6153.54 ; 11236.22,6350.39 11433.07,6153.54 ; 11295.28,6350.39 11492.13,6153.54 ; 11334.65,6094.49 11334.65,6133.86 ; 11334.65,6173.23 11334.65,6212.6 ; 11334.65,6251.97 11334.65,6291.34 ; 11334.65,6330.71 11334.65,6370.08 ; 11334.65,6409.45 11334.65,6448.82 ; 11334.65,6881.89 11334.65,6842.52 ; 11334.65,6921.26 11334.65,6960.63 ; 11334.65,7000 11334.65,7039.37 ; 11334.65,7078.74 11334.65,7118.11 ; 11334.65,7157.48 11334.65,7196.85 ; 11354.33,6350.39 11531.5,6173.23 ; 11413.39,6350.39 11531.5,6232.28 ; 11472.44,6350.39 11531.5,6291.34 ; 11531.5,6074.8 11531.5,7216.54 ; 11570.87,6645.67 11531.5,6645.67 ; 11610.24,6645.67 11649.61,6645.67 ; 11688.98,6645.67 11728.35,6645.67 ; 11767.72,6645.67 11807.09,6645.67 ; 11846.46,6645.67 11885.83,6645.67 ; 11137.8,6645.67 cw(c11137.8,6448.82) 11334.65,6448.82 ; 11137.8,6645.67 ccw(c11137.8,6842.52) 11334.65,6842.52 ; 11267.72,7045.28 11248.03,7045.28 11248.03,6986.22 11228.35,6986.22 11208.66,6986.22 11208.66,7045.28 11188.98,7045.28 11228.35,7084.65 11267.72,7045.28 ; 11267.72,7045.28 11267.72,7045.28 ; 11334.65,6448.82 cw(c11531.5,6448.82) 11531.5,6645.67 ; 11334.65,6842.52 ccw(c11531.5,6842.52) 11531.5,6645.67 ; 11748.03,6714.57 11787.4,6753.94 11748.03,6793.31 11748.03,6773.62 11688.98,6773.62 11688.98,6753.94 11688.98,6734.25 11748.03,6734.25 11748.03,6714.57 ; 11748.03,6714.57 11748.03,6714.57 ; 11397.64,5324.8 11397.64,5895.67 11909.45,5895.67 11909.45,5324.8 11397.64,5324.8
  lines w25: 6397.64,4901.57 9842.52,4901.57 9842.52,7263.78 6397.64,7263.78 ; 7657.48,3937.01 7657.48,4901.57 ; 8523.62,7263.78 8523.62,7677.17 ; 9370.08,3937.01 9370.08,4901.57 ; 9448.82,7263.78 9448.82,7677.17 ; 10393.7,3937.01 10393.7,7677.17 ; 10393.7,5944.88 12027.56,5944.88 ; 10396.23,5253.9 12025.55,5253.9
  text "OLED" at 7624.02,7432.09 h100
  text "IF YOU CAN READ THIS, PLEASE RETURN THE BREADBOARD /  / PETER DOESN'T WANT TO PAY FOR A NEW ONE!" at 7111.3,5890.83 h100
  text "A" at 10669.29,5748.03 h100 r90
  text "D" at 11476.38,5748.03 h100 r90
  text "B" at 11643.7,5748.03 h100 r90
  text "C" at 11791.34,5748.03 h100 r90
  text "B" at 10669.29,5639.76 h100 r90
  text "A" at 11594.49,5580.71 h100 r90
  text "C" at 10669.29,5541.34 h100 r90
  text "D" at 10669.29,5433.07 h100 r90
  text "B" at 11633.86,5423.23 h100 r90
  text "D" at 11801.18,5423.23 h100 r90
  text "C" at 11476.38,5413.39 h100 r90
Drill Drawing:
  region: 11045.31,4543.31

## Text inside footprints (layer, text, board x,y; h text height)
1: Top Overlay "2" at 9526.89,7214.37 h50 r90; Top Overlay "4" at 9526.89,7474.37 h50 r90; Top Overlay "3" at 9626.89,7474.37 h50 r90
2: Top Overlay "1" at 6694.8,3186.14 h50 r90; Top Overlay "4" at 6594.8,3426.14 h50 r90; Top Overlay "3" at 6694.8,3426.14 h50 r90
FREQUENCY1: Top Overlay "1" at 8426.5,7321.97 h50 r90; Top Overlay "2" at 8326.5,7301.97 h50 r90; Top Overlay "4" at 8326.5,7561.97 h50 r90; Top Overlay "3" at 8426.5,7561.97 h50 r90
"FUN BUTTON OUTPUT1": Top Overlay "16" at 8520.63,4830.39 h50; Top Overlay "15" at 8520.63,4730.39 h50; Top Overlay "1" at 7660.63,4730.39 h50; Top Overlay "2" at 7660.63,4830.39 h50
"FUN BUTTON OUTPUT2": Top Overlay "16" at 9326.93,4831.97 h50; Top Overlay "15" at 9326.93,4731.97 h50; Top Overlay "1" at 8466.93,4731.97 h50; Top Overlay "2" at 8466.93,4831.97 h50
ICSP1: Top Overlay "1" at 10409.92,4290.67 h50 r180; Top Overlay "2" at 10429.92,4190.67 h50 r180; Top Overlay "5" at 10069.92,4290.67 h50 r180; Top Overlay "6" at 10069.92,4190.67 h50 r180
"LIGHTS INPUT1": Top Overlay "16" at 8569.92,7334.37 h50 r180; Top Overlay "15" at 8569.92,7434.37 h50 r180; Top Overlay "1" at 9429.92,7434.37 h50 r180; Top Overlay "2" at 9429.92,7334.37 h50 r180
P1: Top Overlay "8" at 10464.88,5825.35 h50 r90; Top Overlay "7" at 10564.88,5825.35 h50 r90; Top Overlay "1" at 10564.88,5385.35 h50 r90; Top Overlay "2" at 10464.88,5365.35 h50 r90
"STEPPER INPUT1": Top Overlay "8" at 10464.88,4816.69 h50 r90; Top Overlay "7" at 10564.88,4816.69 h50 r90; Top Overlay "1" at 10564.88,4376.69 h50 r90; Top Overlay "2" at 10464.88,4356.69 h50 r90
"TRAFFIC INPUT1": Top Overlay "8" at 10472.76,7050.94 h50 r90; Top Overlay "7" at 10572.76,7050.94 h50 r90; Top Overlay "1" at 10572.76,6610.94 h50 r90; Top Overlay "2" at 10472.76,6590.94 h50 r90
"TRAFFIC OUTPUT1": Top Overlay "8" at 10472.76,6617.87 h50 r90; Top Overlay "7" at 10572.76,6617.87 h50 r90; Top Overlay "1" at 10572.76,6177.87 h50 r90; Top Overlay "2" at 10472.76,6157.87 h50 r90